# Altium PCB FM_V0.1.PcbDoc (part 2 of 3) (continued)
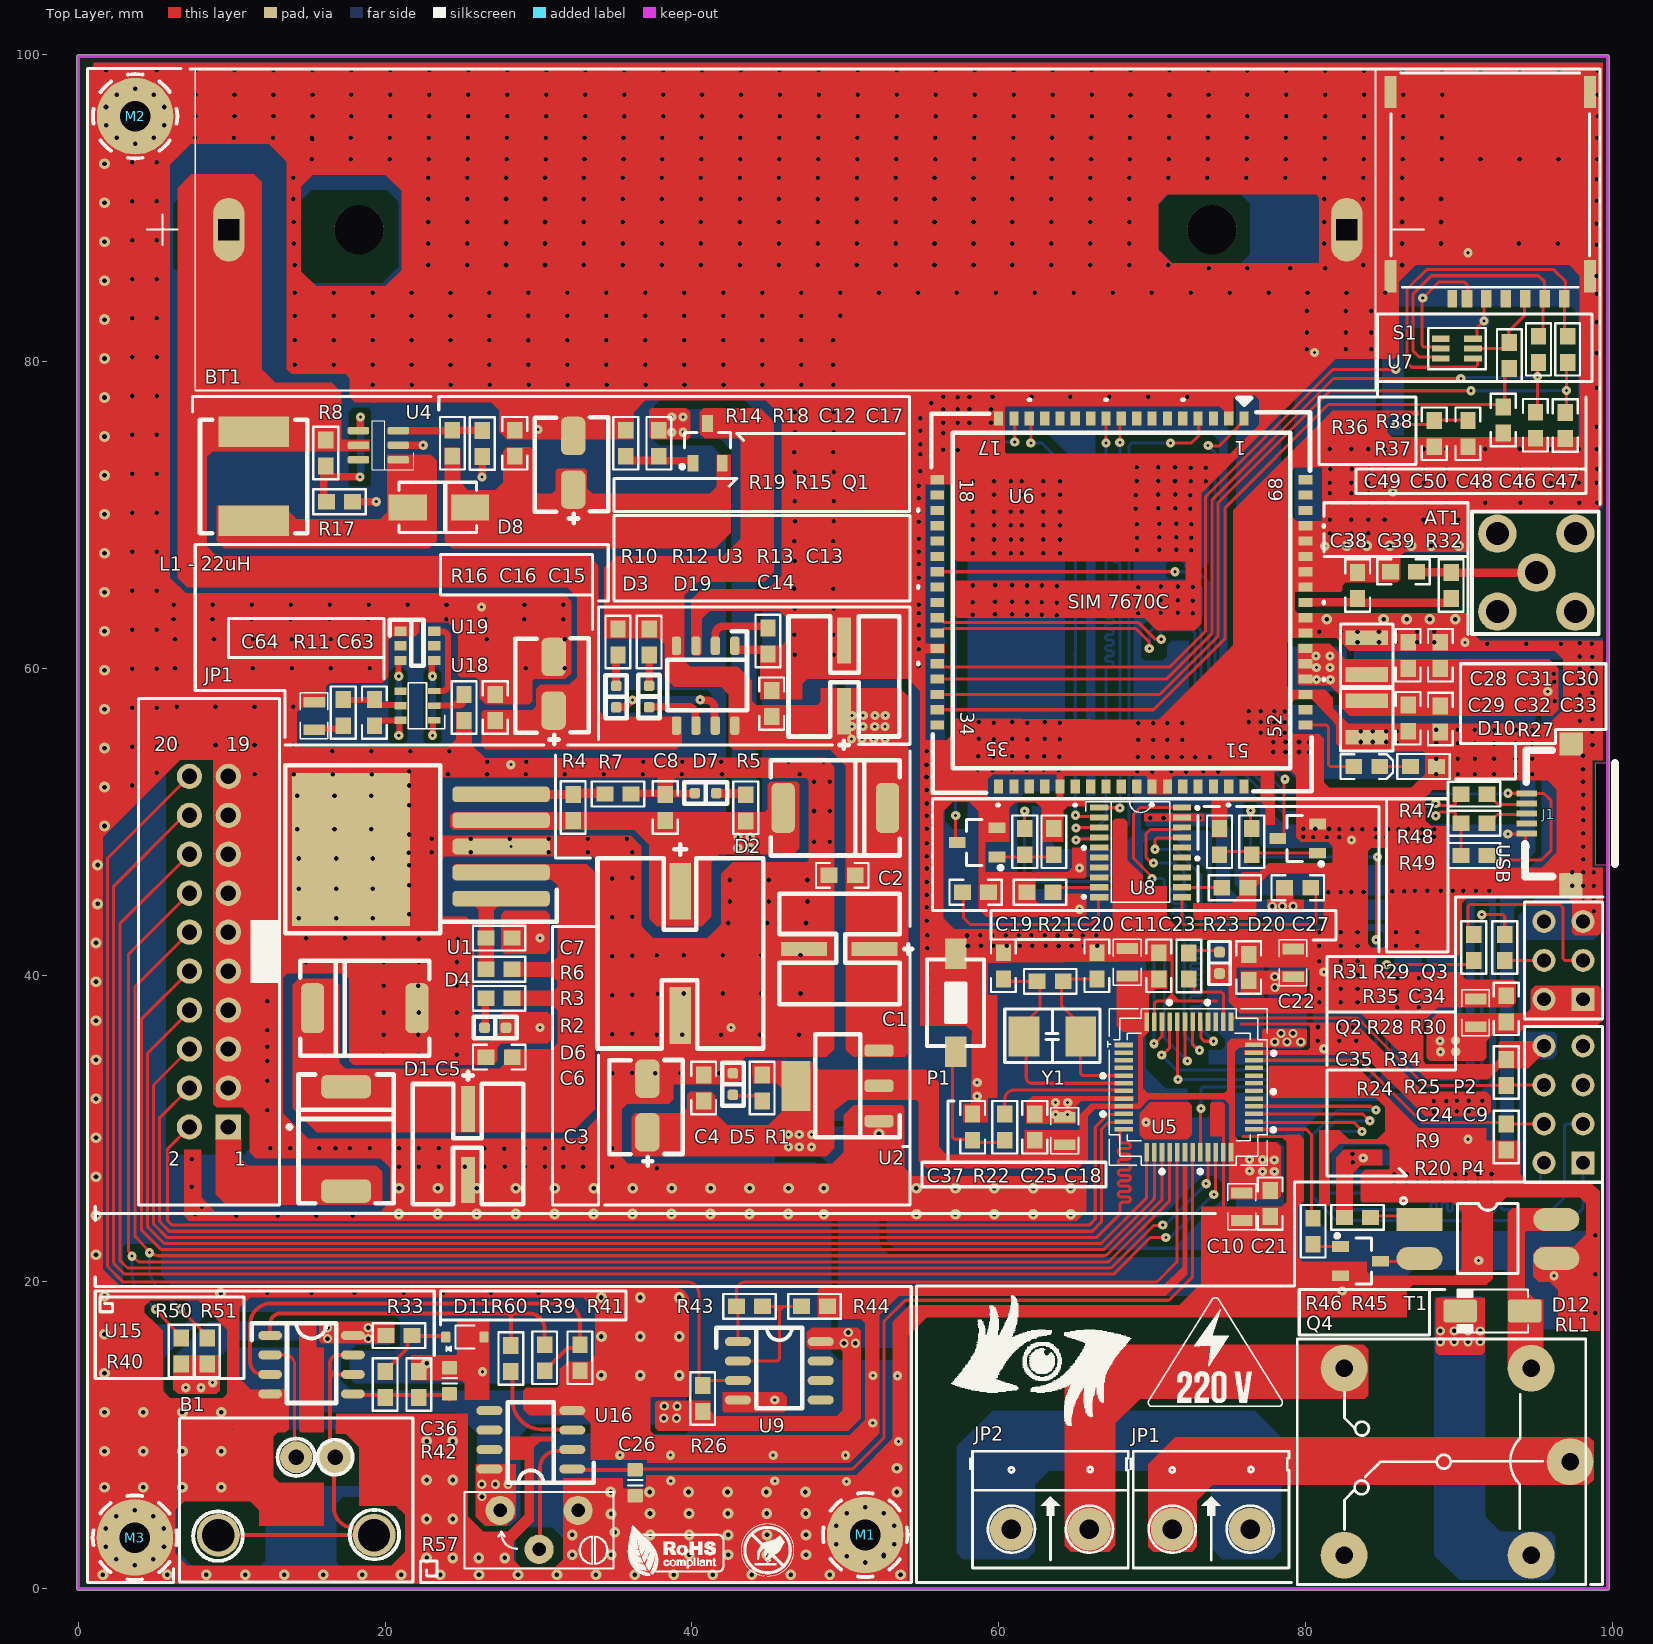
[diagram p0: Top Layer view]
## Nets (pads, with @x,y where several pads share a name; then routed paths per layer and width w, separated by ;. In a path a pad name is that pad's centre, name@x,y a point inside that pad or via, vN(x,y) a via of type N, cw(c..) or ccw(c..) an arc to the next point about the centre after c; other vN are vias at no path point) (continued)
  other v2: 1.6,0.9 5.8,0.9 8.34,0.9 10.88,0.9 13.42,0.9 15.96,0.9 18.5,0.9 21.04,0.9 23.58,0.9 26.12,0.9 28.66,0.9 31.2,0.9 33.74,0.9 36.28,0.9 38.82,0.9 41.36,0.9 43.9,0.9 46.44,0.9 48.98,0.9 53.6,0.9 3.68,1.52 51.3,1.7 2.48,1.92 4.88,1.92 22.7,2 24.4,2 26.1,2 27.8,2 50.1,2.1 52.5,2.1 32.2,2.2 34.74,2.2 37.28,2.2 39.82,2.2 42.36,2.2 44.9,2.2 47.44,2.2 52.52,2.2 1.792,2.72 5.58,2.72 49.412,2.9 53.2,2.9 32.2,3.5 37.28,3.5 39.82,3.5 42.36,3.5 44.9,3.5 47.44,3.5 34.974,3.679 1.78,3.92 5.569,3.92 49.4,4.1 53.188,4.1 22.7,4.54 24.4,4.54 2.48,4.72 4.88,4.72 37.269,4.894 39.809,4.894 42.349,4.894 44.889,4.894 47.429,4.894 50.1,4.9 52.5,4.9 3.68,5.12 51.3,5.3 34.7,6.3 37.24,6.3 39.78,6.3 42.32,6.3 44.86,6.3 47.4,6.3 53.368,6.3 1.7,6.6 4.233,6.6 6.78,6.6 9.309,6.6 22.7,7.08 24.4,7.08 53.368,7.853 1.7,8.957 4.233,8.957 6.78,8.957 9.309,8.96 22.7,9.62 24.4,9.62 1.7,11.5 4.233,11.5 6.78,11.5 9.309,11.5 1.7,14.04 22.7,14.7 34.1,16.44 36.64,16.44 39.18,16.44 1.7,16.58 34.1,18.98 36.64,18.98 39.18,18.98 1.7,19.055 48.6,24.4 54.64,24.4 57.18,24.4 59.72,24.4 62.26,24.4 64.7,24.4 20.888,24.423 23.428,24.423 25.968,24.423 28.508,24.423 31.048,24.423 33.588,24.423 36.128,24.423 38.668,24.423 41.208,24.423 43.748,24.423 46.288,24.423 20.9,26.1 23.44,26.1 25.98,26.1 28.52,26.1 31.06,26.1 33.6,26.1 36.14,26.1 38.68,26.1 41.22,26.1 43.76,26.1 46.3,26.1 48.6,26.1 54.64,26.1 57.18,26.1 59.72,26.1 62.26,26.1 64.7,26.1 52.202,29.659 1.7,52.26 1.7,54.8 1.7,57.34 1.7,59.88 1.7,62.42 81.4,63.2 85.1,63.2 86.6,63.2 88.1,63.2 89.763,63.196 1.7,64.96 1.7,67.5 82.7,68 84,68 85.5,68 86.9,68 88.2,68 90,68 1.7,70.04 1.7,72.58 1.7,75.12 1.7,77.66 1.7,80.2 1.7,82.74 1.7,85.28 1.7,87.82 1.7,90.36 1.7,92.9 3.7,94.2 2.5,94.6 4.9,94.6 1.812,95.4 5.6,95.4 1.8,96.6 5.588,96.6 2.5,97.4 4.9,97.4 3.7,97.8
  other v3: 45.3,8.694 50.014,8.694 38.599,8.7 51.8,13.9 63.7,30.9 63.7,31.7 58.6,32.1 65.279,44.3 90.6,87.1
  other v5: 14.376,43.701 16.8,43.701 19.2,43.701 14.376,45.64 14.376,47.6 14.276,49.52 14.276,51.7
IO_Light_UV_Sensor: JP1.10 U5.14 | length 88.8
  Top Layer w0.2: 4.951,22.549 4.158,23.342 cw(c4.3,23.483) 4.1,23.483 4.1,37.12 JP1.10@7.239,40.259 ; 4.952,22.548 5.342,22.158 ccw(c5.483,22.3) 5.481,22.1 66.837,22.1 70.091,25.354 ccw(c69.95,25.496) 70.15,25.496 U5.14@70.15,28.15
IO_Rain_Sensor: JP1.12 R51.2 U5.15 | length 100.4
  Top Layer w0.2: 4.421,22.192 4.42,22.194 4.376,22.24 3.754,22.9 cw(c3.9,23.036) 3.7,23.035 3.7,25.13 3.7,39.26 JP1.12@7.239,42.799 ; 4.422,22.191 4.575,22.038 cw(c4.435,21.896) v3(4.635,21.9) ; v3@4.689,21.908 cw(c4.689,21.665) 4.853,21.844 ccw(c5.227,22.258) 5.227,21.7 5.327,21.7 66.837,21.7 ccw(c66.837,22.1) 67.121,21.818 70.592,25.289 ccw(c70.45,25.43) 70.65,25.43 70.65,25.724 ; v3(6.65,18.245) 7.129,17.741 ccw(c7.274,17.879) 7.132,17.738 8,16.87 8,16.75 R51.2@8.4,16.35 ; 70.65,25.725 U5.15@70.65,28.45
  Bottom Layer w0.2: v3(4.635,21.9) 4.635,20.964 ccw(c6.584,20.956) 5.201,19.582 5.202,19.581 ccw(c5.343,19.723) 5.208,19.575 v3(6.65,18.245)
IO_Soil_Sensor: JP1.14 R50.2 U5.16 | length 104.6
  Top Layer w0.2: v3@3.476,21.673 3.545,21.673 3.859,21.359 ccw(c4,21.5) 4,21.3 67.086,21.3 ccw(c67.086,21.5) 67.227,21.358 71.092,25.224 ccw(c70.95,25.364) 71.15,25.364 U5.16@71.15,28.45 ; v3(3.5,21.673) 3.5,21.781 3.326,21.955 cw(c3.467,22.097) 3.267,22.097 3.267,41.284 cw(c3.467,41.284) 3.326,41.426 JP1.14@7.239,45.339 ; v3(5.031,18.212) 5.848,17.298 ccw(c5.996,17.432) 5.854,17.292 ; 5.855,17.291 6.3,16.846 6.3,16.75 R50.2@6.7,16.35
  Bottom Layer w0.2: 3.5,20.533 ccw(c5.505,20.532) 4.086,19.115 4.087,19.114 ccw(c4.227,19.256) 4.09,19.111 v3(5.031,18.212) ; 3.5,20.534 v3(3.5,21.673)
IO_Temperature_Sensor: JP1.20 R26.1 U9.3 | length 81.6
  Top Layer w0.2: JP1.20@7.239,52.959 1.9,47.62 1.9,21 2.9,20 39.7,20 cw(c39.7,19.25) 40.45,19.25 R26.1@40.45,13.6 ; R26.1@40.585,13.565 U9.3@43,13.565
MCU_PIN_CTR_N1: JP1.2@7.239,30.099 U5.10 | length 75.7
  Top Layer w0.2: JP1.2@7.239,30.099 5.858,28.718 ccw(c6,28.577) 5.8,28.578 5.8,24.083 ccw(c6,24.083) 5.858,23.942 6.1,23.7 65.9,23.7 66.3,24.1 66.3,30.1 67.1,30.9 67.533,30.9 68.1,30.9 U5.10@68.15,30.95
MCU_PIN_CTR_N2: JP1.4 U5.11 | length 79.1
  Top Layer w0.2: JP1.4@7.239,32.639 5.3,30.7 5.3,24.014 ccw(c5.5,24.014) 5.358,23.873 5.931,23.3 66.1,23.3 66.7,23.9 66.7,29.934 67.166,30.4 68.1,30.4 U5.11@68.15,30.45
MCU_PIN_CTR_RI: U5.41 U8.17 | length 28.7
  Top Layer w0.2: v3(70.2,48.2) 70.2,48.82 70.317,48.938 71.918,48.938 U8.17@71.956,48.975 ; U5.41@73.15,36.95 73.2,36.9 73.2,35.9 73.412,35.688 v3(74.018,35.688)
  Bottom Layer w0.2: v3(70.2,48.2) 71.5,48.2 73.2,46.5 73.2,43.5 73.2,43.05 cw(c73,43.05) 73,42.85 72.675,42.85 ccw(c72.675,42.675) 72.5,42.675 ccw(c72.675,42.675) 72.675,42.5 73.075,42.5 cw(c73.075,42.325) 73.25,42.325 cw(c73.075,42.325) 73.075,42.15 72.675,42.15 ccw(c72.675,41.975) 72.5,41.975 ccw(c72.675,41.975) 72.675,41.8 73.075,41.8 cw(c73.075,41.625) 73.25,41.625 cw(c73.075,41.625) 73.075,41.45 72.675,41.45 ccw(c72.675,41.275) 72.5,41.275 ccw(c72.675,41.275) 72.675,41.1 73.075,41.1 cw(c73.075,40.925) 73.25,40.925 cw(c73.075,40.925) 73.075,40.75 72.675,40.75 ccw(c72.675,40.575) 72.5,40.575 ccw(c72.675,40.575) 72.675,40.4 73.075,40.4 cw(c73.075,40.225) 73.25,40.225 cw(c73.075,40.225) 73.075,40.05 72.675,40.05 ccw(c72.675,39.875) 72.5,39.875 ccw(c72.675,39.875) 72.675,39.7 73.075,39.7 cw(c73.075,39.525) 73.25,39.525 cw(c73.075,39.525) 73.075,39.35 72.675,39.35 ccw(c72.675,39.175) 72.5,39.175 ccw(c72.675,39.175) 72.675,39 73.075,39 cw(c73.075,38.825) 73.25,38.825 cw(c73.075,38.825) 73.075,38.65 72.675,38.65 ccw(c72.675,38.475) 72.5,38.475 ccw(c72.675,38.475) 72.675,38.3 73.075,38.3 cw(c73.075,38.125) 73.25,38.125 cw(c73.075,38.125) 73.075,37.95 72.675,37.95 ccw(c72.675,37.775) 72.5,37.775 ccw(c72.675,37.775) 72.675,37.6 73,37.6 cw(c73,37.4) 73.2,37.4 73.2,36.595 73.2,36.506 v3(74.018,35.688)
MCU_PIN_CTR_RL: R46.1 U5.25 | length 9.3
  Top Layer w0.2: U5.25@76.65,29.95 80.05,29.95 80.4,29.6 R46.1@80.4,24.15
MCU_PIN_I2C2_SCA: JP1.18 U5.22 | length 108.4
  Top Layer w0.2: JP1.18@7.239,50.419 6.919,50.419 2.3,45.8 2.3,21.283 ccw(c2.5,21.283) 2.358,21.142 3,20.5 67.5,20.5 69.9,22.9 v3(70.9,22.9) ; v3(74.032,25.7) 74.032,25.808 74.15,25.927 U5.22@74.15,28.45
  Bottom Layer w0.2: v3(70.9,22.9) 70.974,22.974 71.274,22.974 74,25.7 v3(74.032,25.7)
MCU_PIN_I2C2_SCL: JP1.16 U5.21 | length 103.7
  Top Layer w0.2: JP1.16@7.239,47.879 2.7,43.34 2.7,21.4 3.2,20.9 67.334,20.9 70.1,23.666 70.666,23.666 v3(70.7,23.7) ; v3(73.531,26.4) 73.531,26.508 73.65,26.627 U5.21@73.65,28.35
  Bottom Layer w0.2: v3(70.7,23.7) 70.808,23.7 70.967,23.859 70.99,23.859 v3(73.531,26.4)
MCU_PIN_RX1_SIM: U5.43 U8.20 | length 23.9
  Top Layer w0.2: v3(70,46.3) 70,46.4 68.8,47.6 68.8,50.5 69.225,50.925 U8.20@71.956,50.925 ; U5.43@72.15,36.95 72.15,34.658 72.3,34.508 v3(72.3,34.4)
  Bottom Layer w0.2: v3(70,46.3) 70.683,46.3 70.8,46.183 70.8,35.9 v3(72.3,34.4)
MCU_PIN_RX2_DB: JP1.8 U5.13 | length 85
  Top Layer w0.2: JP1.8@7.239,37.719 7.239,37.639 4.559,34.959 ccw(c4.7,34.817) 4.5,34.817 4.5,23.683 ccw(c4.7,23.683) 4.558,23.542 5.6,22.5 66.672,22.5 69.65,25.478 69.65,27.4 U5.13@69.65,28.45
MCU_PIN_SPI_CLK: P4.5 U5.26 | length 29.2
  Top Layer w0.2: U5.26@76.65,30.45 76.7,30.4 79.566,30.4 83.15,30.4 83.7,29.85 v3(83.7,29.8)
  Bottom Layer w0.2: v3(83.7,29.8) 81.836,29.8 81.4,29.364 81.4,25.917 81.517,25.8 95.201,25.8 95.318,25.917 95.318,27.518 P4.5@95.56,27.76
MCU_PIN_SPI_MISO: P4.2 U5.27 | length 43.8
  Top Layer w0.2: U5.27@76.65,30.95 83.75,30.95 v3(84.2,30.5)
  Bottom Layer w0.2: v3(84.2,30.5) 81.971,30.5 81,29.529 81,25.651 81.951,24.7 87.116,24.7 88,24.7 ccw(c88,24.9) 88.2,24.9 88.2,25.018 cw(c88.375,25.018) 88.375,25.193 cw(c88.375,25.018) 88.55,25.018 88.55,24.775 ccw(c88.725,24.775) 88.725,24.6 ccw(c88.725,24.775) 88.9,24.775 88.9,25.018 cw(c89.075,25.018) 89.075,25.193 cw(c89.075,25.018) 89.25,25.018 89.25,24.775 ccw(c89.425,24.775) 89.425,24.6 ccw(c89.425,24.775) 89.6,24.775 89.6,25.018 cw(c89.775,25.018) 89.775,25.193 cw(c89.775,25.018) 89.95,25.018 89.95,24.775 ccw(c90.125,24.775) 90.125,24.6 ccw(c90.125,24.775) 90.3,24.775 90.3,25.018 cw(c90.475,25.018) 90.475,25.193 cw(c90.475,25.018) 90.65,25.018 90.65,24.775 ccw(c90.825,24.775) 90.825,24.6 ccw(c90.825,24.775) 91,24.775 91,25.018 cw(c91.175,25.018) 91.175,25.193 cw(c91.175,25.018) 91.35,25.018 91.35,24.775 ccw(c91.525,24.775) 91.525,24.6 ccw(c91.525,24.775) 91.7,24.775 91.7,25.018 cw(c91.875,25.018) 91.875,25.193 cw(c91.875,25.018) 92.05,25.018 92.05,24.775 ccw(c92.225,24.775) 92.225,24.6 ccw(c92.225,24.775) 92.4,24.775 92.4,25.018 cw(c92.575,25.018) 92.575,25.193 cw(c92.575,25.018) 92.75,25.018 92.75,24.9 ccw(c92.95,24.9) 92.95,24.7 93.4,24.7 96.1,24.7 96.9,25.5 96.9,30.183 97.017,30.3 P4.2@98.1,30.3
MCU_PIN_SPI_MOSI: P4.1 U5.28 | length 38.4
  Top Layer w0.2: U5.28@76.65,31.45 84.283,31.45 84.533,31.2 v3(84.6,31.2)
  Bottom Layer w0.2: v3(84.6,31.2) 82.105,31.2 80.5,29.595 80.5,25.507 82.007,24 97.3,24 98.1,24.8 P4.1@98.1,27.76
MCU_PIN_TX1_SIM: U5.42 U8.18 | length 25.4
  Top Layer w0.2: v3(70.1,47.3) 69.992,47.3 69.6,47.692 69.6,49.2 69.9,49.5 71.339,49.5 71.364,49.525 71.856,49.525 U8.18@71.956,49.625 ; U5.42@72.65,36.95 72.65,35.45 73,35.1 v3(73.1,35.1)
  Bottom Layer w0.2: v3(70.1,47.3) 71.5,47.3 72.1,46.7 72.1,46.379 72.1,45.929 cw(c71.9,45.929) 71.9,45.729 71.469,45.729 ccw(c71.469,45.554) 71.294,45.554 ccw(c71.469,45.554) 71.469,45.379 72.028,45.379 cw(c72.028,45.204) 72.203,45.204 cw(c72.028,45.204) 72.028,45.029 71.469,45.029 ccw(c71.469,44.854) 71.294,44.854 ccw(c71.469,44.854) 71.469,44.679 72.028,44.679 cw(c72.028,44.504) 72.203,44.504 cw(c72.028,44.504) 72.028,44.329 71.469,44.329 ccw(c71.469,44.154) 71.294,44.154 ccw(c71.469,44.154) 71.469,43.979 71.9,43.979 cw(c71.9,43.779) 72.1,43.779 72.1,43.15 72.1,36.117 73.1,35.117 v3(73.1,35.1)
MCU_PIN_TX2_DB: JP1.6 U5.12 | length 89.6
  Top Layer w0.2: JP1.6@7.239,35.179 4.9,32.84 4.9,23.849 ccw(c5.1,23.849) 4.958,23.708 5.728,22.938 5.766,22.9 66.4,22.9 67.9,24.4 67.9,24.436 67.9,24.993 cw(c68.1,24.993) 68.1,25.193 68.415,25.193 ccw(c68.415,25.368) 68.59,25.368 ccw(c68.415,25.368) 68.415,25.543 67.975,25.543 cw(c67.975,25.718) 67.8,25.718 cw(c67.975,25.718) 67.975,25.893 68.415,25.893 ccw(c68.415,26.068) 68.59,26.068 ccw(c68.415,26.068) 68.415,26.243 67.975,26.243 cw(c67.975,26.418) 67.8,26.418 cw(c67.975,26.418) 67.975,26.593 68.415,26.593 ccw(c68.415,26.768) 68.59,26.768 ccw(c68.415,26.768) 68.415,26.943 67.975,26.943 cw(c67.975,27.118) 67.8,27.118 cw(c67.975,27.118) 67.975,27.293 68.415,27.293 ccw(c68.415,27.468) 68.59,27.468 ccw(c68.415,27.468) 68.415,27.643 67.975,27.643 cw(c67.975,27.818) 67.8,27.818 cw(c67.975,27.818) 67.975,27.993 68.415,27.993 ccw(c68.415,28.168) 68.59,28.168 ccw(c68.415,28.168) 68.415,28.343 67.975,28.343 cw(c67.975,28.518) 67.8,28.518 cw(c67.975,28.518) 67.975,28.693 68.415,28.693 ccw(c68.415,28.868) 68.59,28.868 ccw(c68.415,28.868) 68.415,29.043 68.1,29.043 cw(c68.1,29.243) 67.9,29.243 67.9,29.343 67.9,29.9 67.95,29.95 U5.12@68.15,29.95
NET_LIGHT: D10.1 U6.52 | length 5.1
  Top Layer w0.2: U6.52@80,56.3 81.383,56.3 81.5,56.183 81.5,53.717 81.617,53.6 82.549,53.6
NetAT1_1: AT1.1 C39.2 R32.1 | length 7.8
  Top Layer w0.55: C39.2@87.293,66.257 89.493,66.257 R32.1@89.5,66.25 89.51,66.24 AT1.1@95.06,66.24
NetC5_1: C5.1 C6.2 D1.2 D4.2 R2.2 R3.1 U1.2 | length 51.6
  Top Layer w1: D4.2@15.391,37.465 15.391,34.05 16.78,32.661 17.653,32.661 18.526,32.661 19.931,31.256 C5.1@25.4,31.256 30.783,31.256 32.131,32.604 32.131,34.658 ; U1.2@27.559,46.687 31.545,46.687 32.131,46.101 32.131,40.371 ; R2.2@28.282,38.481 28.625,38.481 28.641,38.497 32.131,38.497 ; R3.1@28.282,40.386 28.625,40.386 28.64,40.371 32.131,40.371 ; C6.2@28.409,34.671 28.752,34.671 28.765,34.658 32.131,34.658 ; 32.131,34.658 32.131,37.465 32.131,38.497 ; 32.131,38.497 32.131,40.371
NetC34_1: C34.1 U8.11 | length 12.9
  Top Layer w0.2: U8.11@71.956,45.075 71.956,43.417 72.073,43.3 80.583,43.3 80.7,43.417 80.7,45.35 C34.1@80.35,45.7
NetC35_2: C35.2 U8.10 | length 12.2
  Top Layer w0.2: C35.2@57.65,45.4 57.7,45.35 57.7,43.754 58.154,43.3 66,43.3 66.5,43.8 66.5,44.975 66.556,45.031 U8.10@66.556,45.075
NetC36_1: C36.1 R40.1 R42.2 U15.5 | length 6.2
  Top Layer w0.254: U15.5@17.9,12.695 17.966,12.629 20,12.629 22.2,12.629 C36.1@23.811,12.629 ; C36.1@24.011,12.514 C36.1@24.2,12.325
NetC37_2: C37.2 P1.1 R22.2 | length 9.7
  Top Layer w0.2: P1.1@56.594,34.6 P1.1@57.094,35.1 ; P1.1@57.194,35 57.059,34.865 ccw(c57.2,34.723) 57,34.723 57,29.5 ccw(c57.2,29.5) 57.2,29.3 C37.2@58.3,29.3 ; C37.2@58.4,29.1 R22.2@60.4,29.1
NetC63_2: C63.2 R11.1 U18.5 | length 3.9
  Top Layer w0.4: R11.1@17.272,57.912 17.297,57.937 C63.2@19.279,57.937 ; C63.2@19.304,57.961 19.304,57.911 19.597,57.618 20.793,57.618 20.796,57.616 20.946,57.616 U18.5@20.996,57.566
NetD3_1: D3.1 R10.1 | length 2.1
  Top Layer w0.5: D3.1@35.064,58.858 35.057,58.866 35.057,60.75 R10.1@35.179,60.872
NetD5_1: D5.1 R1.1 | length 2.2
  Top Layer w0.254: D5.1@42.502,32.131 44.235,32.131 R1.1@44.577,31.789
NetD6_1: D6.1 R2.1 | length 1.9
  Top Layer w0.5: D6.1@26.478,36.576 26.53,36.628 26.53,38.429 R2.1@26.582,38.481
NetD7_1: D7.1 R5.1 | length 2
  Top Layer w0.6: D7.1@41.592,51.866 41.614,51.844 43.462,51.844 R5.1@43.547,51.76
NetD8_1: "L1 - 22uH.2" D8.1 U4.1 | length 13.9
  Top Layer w0.5: 11.43,69.384 20.789,69.384 21.082,69.677 21.082,73.599 U4.1@21.239,73.599
NetD10_2: D10.2 R27.2 | length 2.3
  Top Layer w0.2: D10.2@84.649,53.6 R27.2@86.95,53.6
NetD11_K: D11.K R33.1 R40.2 | length 4.7
  Top Layer w0.254: R40.2@20.14,14.34 20.373,14.573 21.468,15.668 21.468,16.218 R33.1@21.75,16.5 ; R33.1@22.128,16.468 22.889,16.468 ; 22.889,16.465 23.885,16.465 D11.K@23.95,16.4
NetD12_A: D12.A RL1.4 T1.4 | length 12.2
  Top Layer w0.2: D12.A@93.3,17.895 93.3,23.704 93.417,23.821 T1.4@96.109,23.821 ; D12.A@93.4,18 93.456,17.944 93.456,14.536 RL1.4@93.5,14.492
NetD12_K: D12.K RL1.5 | length 21.8
  Top Layer w0.2: D12.K@89.2,18 89.769,18 90.113,17.657 90.113,17.087 v4@90.4,16.8 ; v4(89.7,16.8) v4@90,16.8 ; v4(90.6,16.1) 90.6,16.2 v4@90,16.8 ; v4(90.6,16.8) v4@90.4,16.8 ; v4@90,16.8 v4@90.4,16.8
  Bottom Layer w0.2: v4@90.494,15.953 90.494,12.67 90.617,12.547 90.617,9.372 90.4,9.155 90.4,2.659 90.883,2.176 RL1.5@94.717,2.176
  other v4: 88.8,16.1 89.7,16.1 91.396,16.105 88.8,16.8 91.4,16.8
NetD19_1: D19.1 R12.1 | length 2
  Top Layer w0.5: D19.1@37.211,58.866 R12.1@37.211,60.872
NetD20_1: D20.1 R23.2 | length 2
  Top Layer w0.2: R23.2@72.43,41.458 72.572,41.6 D20.1@74.4,41.6
NetJ1_2: J1.2 R47.1 | length 2.8
  Top Layer w0.2: R47.1@91.85,51.8 91.9,51.8 92.576,51.124 J1.2@94.404,51.124
NetJ1_3: J1.3 R48.1 | length 2.8
  Top Layer w0.2: R48.1@91.85,49.9 91.9,49.9 91.95,49.9 92.524,50.474 J1.3@94.404,50.474
NetJP1_1: JP1.1@71.317,3.876 RL1.1 | length 29.5
  Top Layer w0.254: JP1.1@71.317,3.876 71.72,4.28 71.72,5.48 75.517,9.276 95.859,9.276 97.063,8.072 RL1.1@97.349,8.072
NetJP1_2: JP1.2@76.397,3.876 JP2.1 | length 22.7
  Bottom Layer w0.254: JP2.1@60.037,3.976 60.037,5.938 60.037,8.151 60.186,8.3 72.993,8.3 75.688,5.606 75.688,5.086 JP1.2@76.497,4.276
NetJP2_2: JP2.2 RL1.3 | length 24.5
  Top Layer w0.254: JP2.2@65.917,3.876 65.917,9.876 68.817,12.776 81.225,12.776 RL1.3@82.617,14.168
NetP2_2: P2.2 R24.2 | length 13
  Top Layer w0.2: R24.2@90.975,42.65 90.608,43.017 90.608,44.483 90.725,44.6 96.6,44.6 96.8,44.4 96.8,41.077 96.917,40.96 P2.2@98.1,40.96
NetP2_5: P2.5 R25.1 | length 2.6
  Top Layer w0.2: R25.1@93,40.95 93.01,40.96 P2.5@95.56,40.96
NetQ1_1: Q1.1 R15.2 R19.2 | length 4.9
  Top Layer w0.5: R19.2@35.687,73.826 35.687,73.803 35.937,73.553 37.596,73.553 37.846,73.803 R15.2@37.846,73.826 37.846,73.783 38.096,73.533 39.971,73.533 40.071,73.433 Q1.1@40.071,73.376
NetQ2_1: Q2.1 R28.1 R30.1 | length 3.8
  Top Layer w0.2: Q2.1@59.9,47.7 63.45,47.7 R30.1@63.6,47.85
NetQ3_1: Q3.1 R29.1 R31.1 | length 6.4
  Top Layer w0.2: R31.1@74.4,48.05 R29.1@76.5,48.05 ; R29.1@76.5,47.85 76.6,47.95 Q3.1@80.8,47.95
NetQ4_1: Q4.1 R46.2 | length 2.1
  Top Layer w0.2: R46.2@80.3,22.5 80.5,22.3 Q4.1@82.3,22.3
NetQ4_3: Q4.3 T1.2 | length 2.5
  Top Layer w0.2: Q4.3@84.9,21.35 84.92,21.33 T1.2@87.44,21.33
NetR3_2: R3.2 R6.2 U1.1 | length 5.4
  Top Layer w1: R3.2@26.582,40.513 26.582,42.037 26.582,42.291 26.582,44.977 26.592,44.987 U1.1@27.559,44.987
NetR4_2: R4.2 R7.2 U1.5 | length 6.9
  Top Layer w0.6: U1.5@27.559,51.787 27.564,51.782 32.253,51.782 R4.2@32.258,51.777 32.337,51.856 34.336,51.856 R7.2@34.414,51.934
NetR8_2: R8.2 R17.1 U4.4 | length 10.1
  Top Layer w0.5: R8.2@16.002,73.152 16.002,72.5 ; R17.1@16.168,70.866 16.002,71.032 16.002,72.5 ; v3(18.361,72.482) 18.343,72.5 16.002,72.5 ; v3(18.402,76.397) 18.383,76.377 18.383,75.499 18.272,75.499 U4.4@18.654,75.499
  Bottom Layer w0.5: v3(18.361,72.482) 18.361,72.509 18.402,72.551 v3(18.402,76.397)
NetR13_2: R13.2 U3.2 | length 4.5
  Top Layer w0.5: U3.2@41.528,61.469 41.528,62.238 cw(c42.028,62.238) 42.028,62.738 44.859,62.738 R13.2@44.957,62.64
NetR14_2: R14.2 R18.1 U4.3 | length 5.1
  Top Layer w0.5: U4.3@21.239,75.499 24.366,75.499 R14.2@24.384,75.517 ; R14.2@24.384,75.526 24.388,75.522 26.329,75.522 R18.1@26.333,75.517
NetR16_1: R16.1 U18.2 | length 2.5
  Top Layer w0.4: U18.2@23.196,57.566 U18.2@23.2,57.566 ; U18.2@23.2,57.566 cw(c23.251,57.169) 23.25,57.569 24.747,57.569 ccw(c24.746,57.969) 25.146,57.969 R16.1@25.146,58.303
NetR34_2: R34.2 U8.9 | length 3.2
  Top Layer w0.2: R34.2@63.469,45.798 63.444,45.773 63.492,45.725 U8.9@66.556,45.725
NetR35_1: R35.1 U8.12 | length 2.7
  Top Layer w0.2: U8.12@71.956,45.725 R35.1@74.653,45.725
NetR36_1: R36.1 S1.2 U7.5 | length 5.5
  Top Layer w0.2: U7.5@91.314,80.852 R36.1@93.2,80.852 ; R36.1@93.259,81.209 93.259,81.983 93.517,82.241 93.747,82.472 94.3,83.024 S1.2@94.3,84.361
NetR37_1: R37.1 S1.3 U7.4 | length 25
  Top Layer w0.2: U7.4@90.932,80.195 91.111,80.195 91.211,80.095 91.211,79.75 91.152,79.692 cw(c91.011,79.833) 91.011,79.633 86.917,79.633 86.63,79.921 86.63,84.73 87.9,86 96.2,86 96.957,85.243 96.957,84.167 96.9,84.11 R37.1@96.9,81.65
NetR38_1: R38.1 S1.7 U7.3 | length 18.7
  Top Layer w0.2: U7.3@88.832,80.195 88.732,80.295 87.417,80.295 87.03,80.683 87.03,84.43 88.2,85.6 95.2,85.6 95.6,85.2 S1.7@95.6,84.09 ; R38.1@95.091,81.714 95.093,81.714 95.48,82.1 95.48,83.96 S1.7@95.61,84.09
NetR39_1: R39.1 R41.2 U15.3 | length 31.7
  Top Layer w0.254: U15.3@12.5,13.965 12.003,13.965 cw(c12.002,14.767) 11.2,14.764 11.2,17.236 cw(c12.564,17.236) 12.564,18.6 31.5,18.6 cw(c31.5,17.4) 32.7,17.4 32.7,15.873 32.527,15.7 31.892,15.7 30.815,14.623 30.773,14.623 30.4,14.25 R39.1@30.4,14.2
NetR43_1: R43.1 R44.2 U9.2 | length 8.7
  Top Layer w0.2: U9.2@43,14.835 45.5,14.835 ccw(c45.5,15.035) 45.7,15.035 45.7,18.26 ccw(c45.5,18.26) 45.642,18.401 ; R43.1@44.6,18.4 45.05,18.401 45.641,18.401 46.7,18.401 R44.2@47.15,18.4
NetR45_2: R45.2 T1.1 | length 3.4
  Top Layer w0.2: R45.2@84.2,24.3 87.01,24.3 T1.1@87.44,23.87
NetR57_2: R57.2 U16.2 | length 8
  Top Layer w0.254: R57.2@30.1,2.56 30.1,7.9 cw(c31.165,7.9) 31.165,8.965 32.193,8.965 ccw(c32.192,9.219) U16.2@32.2,8.965
NetR60_1: R60.1 U16.3 | length 6.9
  Top Layer w0.254: R60.1@28.2,14.15 28.3,14.05 28.3,12.3 ccw(c30.222,12.3) 30.222,10.378 32.157,10.378 U16.3@32.2,10.335
OP_PH_SENSOR: C26.1 U5.19 U16.1 | length 58.1
  Top Layer w0.2: C26.1@36.3,7.75 36.688,7.8 50.402,7.8 ccw(c50.402,8) 50.543,7.858 52.469,9.783 ccw(c52.327,9.925) 52.527,9.925 52.527,17.349 cw(c52.727,17.349) 52.586,17.491 53.837,18.742 cw(c53.978,18.6) 53.978,18.8 70.9,18.8 ccw(c70.9,19.1) 70.915,18.8 cw(c70.924,18.601) 70.923,18.801 71.035,18.801 ccw(c71.035,19.001) 71.176,18.859 72.591,20.274 ccw(c72.45,20.416) 72.65,20.416 U5.19@72.65,28.45
  Top Layer w0.254: U16.1@32.228,7.722 36.273,7.722 C26.1@36.3,7.75
OP_TEMP_SENSOR: R43.2 U5.17 U9.1 | length 40.1
  Top Layer w0.2: U9.1@43,16.105 43,18.3 R43.2@42.9,18.4 42.9,19.4 cw(c43.5,19.4) 43.5,20 70.244,20 ccw(c70.244,20.2) 70.385,20.058 71.583,21.256 ccw(c71.442,21.397) 71.642,21.397 71.642,27.95 U5.17@71.65,28.45
P_OC: U18.3 U19.6 | length 5.5
  Top Layer w0.4: U19.6@23.077,62.412 23.705,62.412 cw(c23.705,62.012) 24.105,62.012 24.105,58.916 cw(c23.705,58.916) 23.705,58.516 U18.3@23.196,58.516
P_OD: U18.1 U19.4 | length 6.1
  Top Layer w0.4: v3(23.083,55.633) 23.121,55.672 23.121,56.616 U18.1@23.196,56.616 ; v3(23.082,59.486) 23.082,59.54 23.035,59.587 23.035,60.418 23.135,60.518 U19.4@23.198,60.518
  Bottom Layer w0.4: v3@23.1,55.541 v3@23.1,59.394
PH+: B1.1 U15.2 | length 8
  Top Layer w0.2: U15.2@12.5,15.235 13.463,15.235 cw(c13.463,14.598) 14.1,14.601 ; 14.1,14.6 14.1,8.748 ccw(c14.3,8.748) 14.159,8.606 B1.1@14.2,8.565
PH-: B1.2 U15.6 U15.7 | length 25.7
  Top Layer w0.254: B1.2@9.187,3.485 B1.2@18.215,3.485 ; U15.6@17.9,13.965 16.4,13.965 ; U15.7@17.9,15.235 16.935,15.235 ccw(c16.935,14.7) 16.4,14.7 16.4,13.965 ; B1.2@19.28,3.485 B1.2@18.215,3.485 ; 16.4,13.965 16.4,8.905 B1.2@16.74,8.565 16.734,8.559 ccw(c16.913,8.379) 16.659,8.379 16.659,5.274 ccw(c17.961,5.274) 17.961,3.972 cw(c17.961,3.718) 18.215,3.718 18.215,3.518 B1.2@18.215,3.485
PIN_B+: C64.2 R11.2 | length 2.2
  Top Layer w0.4: C64.2@15.093,56.061 17.121,56.061 R11.2@17.272,56.212